# Altium PCB CRD25DA12N-FMC V1.2 (01-2024).PcbDoc (part 6 of 6)
Units mil, origin at the board's own origin, x right, y up, seen from the top; angles counter-clockwise.
Board outline 8000 x 8000 mil, 6 copper layers (Top Layer, Layer 2, Layer 3, Layer 4, Layer 5, Bottom Layer), stack 91 mil thick; 574 components, 325 nets, 1631 pads, 633 vias.
Unrouted connection lines stored in the file: 1.
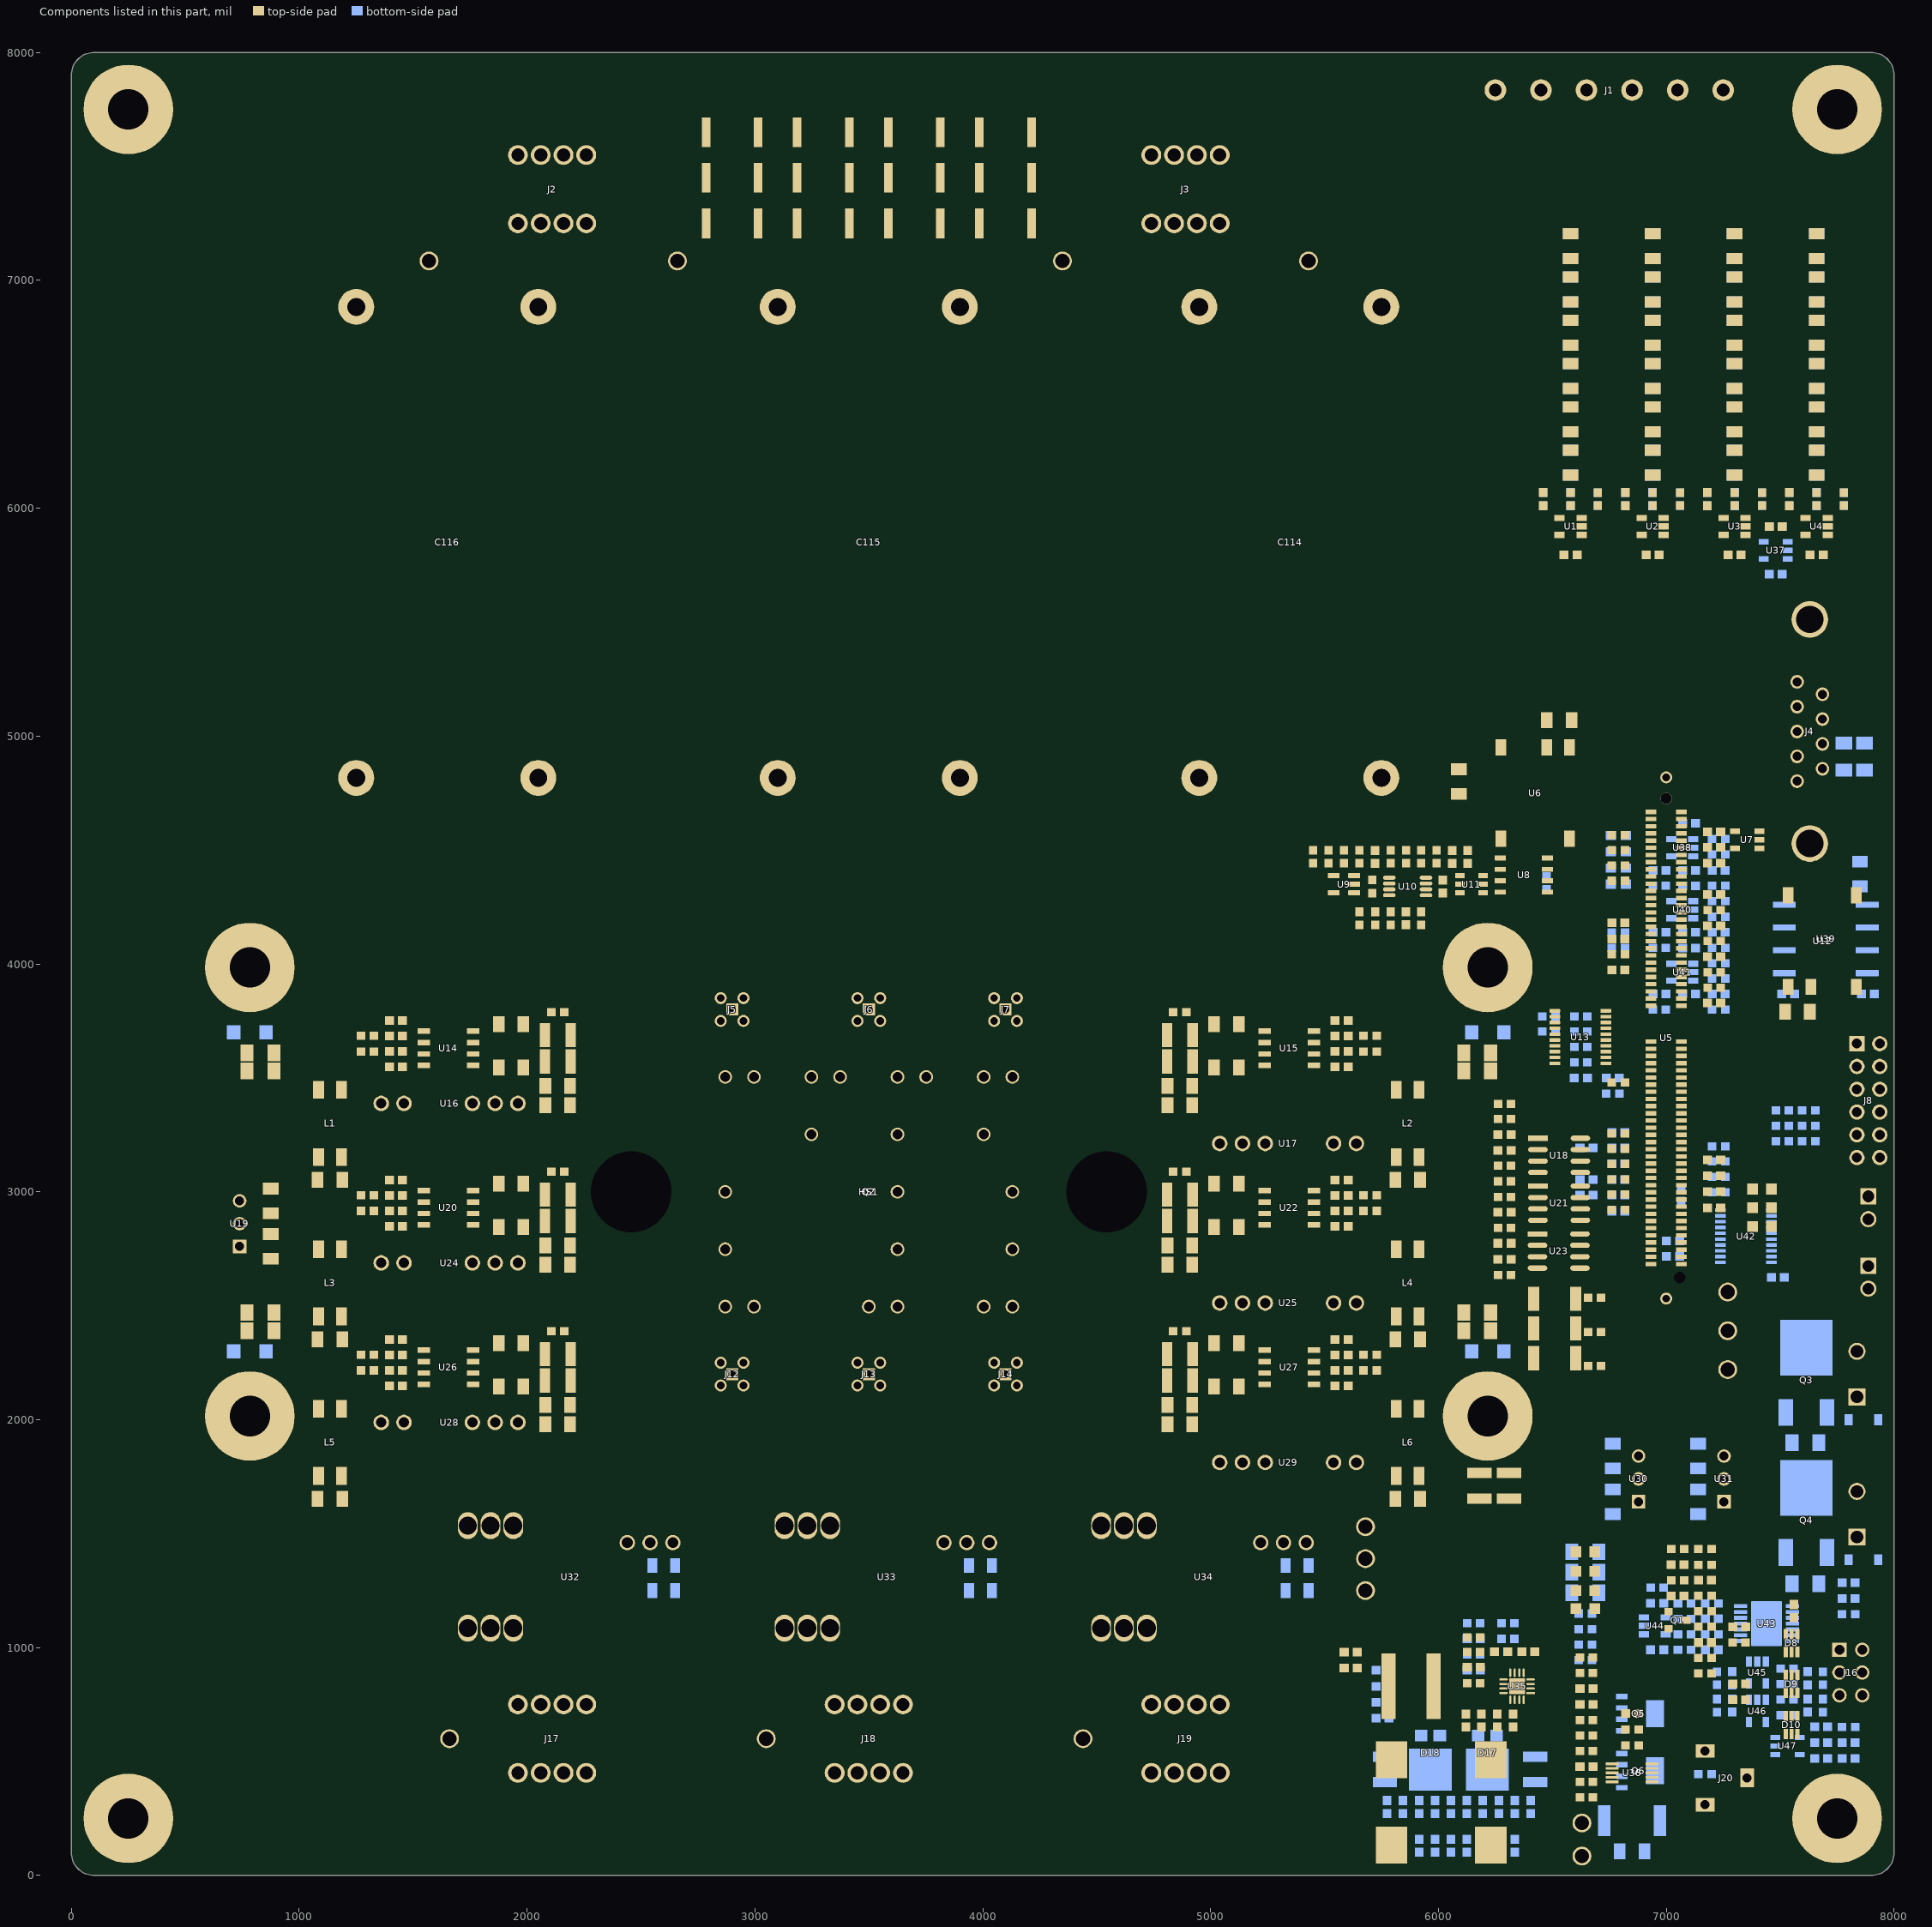
[diagram p10: the components of this part, seen from the top]

## Polygon pours and split planes (outlines as drawn) (continued)
NetC74_1 on Bottom Layer "NONET_L-01_P-001" (solid, pour order 964): 5535,2565 ccw(c5535,2520) 5490,2520 5490,2430 ccw(c5535,2430) 5535,2385 5715,2385 cw(c5715,2340) 5760,2340 5760,2335 ccw(c5805,2335) 5805,2290 5925,2290 ccw(c5925,2335) 5970,2335 5970,2345.83 cw(c6004.58,2350.42) 6000,2385 ccw(c5992.08,2417.08) 6025,2420 6025,2520 ccw(c5980,2520) 5980,2565
NetC49_1 on Bottom Layer "NONET_L-01_P-001" (solid, pour order 816): 5535,3265 ccw(c5535,3220) 5490,3220 5490,3130 ccw(c5535,3130) 5535,3085 5715,3085 cw(c5715,3040) 5760,3040 5760,3035 ccw(c5805,3035) 5805,2990 5925,2990 ccw(c5925,3035) 5970,3035 5970,3045.83 cw(c6004.58,3050.42) 6000,3085 ccw(c5992.08,3117.08) 6025,3120 6025,3220 ccw(c5980,3220) 5980,3265
S3 on Bottom Layer "Bottom Layer-S3" (solid, pour order 285): 21 vertices, not listed, extent 1830,3330 2225.07,3780
-3V_V_HS on Bottom Layer "Bottom Layer--3V_V_HS" (solid, pour order 1063): 1735,3374.9 ccw(c1780,3375) 1777.5,3330.07 ccw(c1775,3375) 1820,3374.91 1820,3415.4 1820.37,3415.77 cw(c1865,3410) 1859.85,3454.7 ccw(c1859.7,3500) 1905,3499.91 1905,3735.14 ccw(c1860,3735) 1860.23,3780 1779.81,3780 ccw(c1780,3735) 1735,3735 1735,3425
+15V_V_HS on Bottom Layer "Bottom Layer-+15V_V_HS" (solid, pour order 1062): 1980,3330 2005.11,3330 ccw(c2005,3375) 2050,3374.9 2050,3380.17 ccw(c2005,3380) 2005.11,3425 1979.86,3425 ccw(c1980,3380) 1935,3380 1935,3425 1935,3377.5 1935,3374.9 ccw(c1980,3375)
S2 on Bottom Layer "Bottom Layer-S2" (solid, pour order 1035): 21 vertices, not listed, extent 1830,1930 2225.07,2380
+15V_U_LS on Bottom Layer "Bottom Layer-+15V_U_LS" (solid, pour order 1030): 1980,1930 2005.11,1930 ccw(c2005,1975) 2050,1974.9 2050,1980.17 ccw(c2005,1980) 2005.11,2025 1979.86,2025 ccw(c1980,1980) 1935,1980 1935,2025 1935,1977.5 1935,1974.9 ccw(c1980,1975)
GND on Bottom Layer "Bottom Layer-GND 1" (solid, pour order 997): 6685,1694.87 ccw(c6730,1695) 6730,1650 6805,1650 6850,1695 6905,1695 ccw(c6904.9,1740.1) 6950,1740 ccw(c6904.88,1739.88) 6905,1785 6850,1785 6805,1830 6773.42,1830 6729.89,1830 ccw(c6730,1785) 6685,1785 6685,1745
+3.3V on Bottom Layer "Bottom Layer-+3.3V" (solid, pour order 985): 6855,1795 6905,1795 ccw(c6904.94,1840.06) 6950,1840 6950,1895 ccw(c6904.94,1894.94) 6905,1940 6729.86,1940 ccw(c6730,1895) 6685,1895 6685,1884.86 ccw(c6730,1885) 6730,1840 6810,1840
+12V on Bottom Layer "Bottom Layer-+12V" (solid, pour order 979): 6855,1685 6905,1685 cw(c6904.94,1639.94) 6950,1640 6950,1585 cw(c6904.94,1585.06) 6905,1540 6729.86,1540 cw(c6730,1585) 6685,1585 6685,1595.13 cw(c6730,1595) 6730,1640 6810,1640
+5V on Bottom Layer "Bottom Layer-+5V" (solid, pour order 978): 7230,1795 7280,1795 ccw(c7279.94,1840.06) 7325,1840 7325,1895 ccw(c7279.94,1894.94) 7280,1940 7104.86,1940 ccw(c7105,1895) 7060,1895 7060,1884.86 ccw(c7105,1885) 7105,1840 7185,1840
+12V on Bottom Layer "Bottom Layer-+12V 1" (solid, pour order 977): 7230,1685 7280,1685 cw(c7279.94,1639.94) 7325,1640 7325,1585 cw(c7279.94,1585.06) 7280,1540 7104.86,1540 cw(c7105,1585) 7060,1585 7060,1595.13 cw(c7105,1595) 7105,1640 7185,1640
GND on Bottom Layer "Bottom Layer-GND 1" (solid, pour order 975): 7060,1694.87 ccw(c7105,1695) 7105,1650 7180,1650 7225,1695 7280,1695 ccw(c7279.9,1740.1) 7325,1740 ccw(c7279.88,1739.88) 7280,1785 7225,1785 7180,1830 7148.42,1830 7104.89,1830 ccw(c7105,1785) 7060,1785 7060,1745
GND_ISO on Bottom Layer "Bottom Layer-GND_ISO" (solid, pour order 774): 7795,4405 7885,4405 7885,4480.14 ccw(c7840,4480) 7840,4525 7839.82,4525 ccw(c7840,4480) 7795,4480 7795,4415
GND_ISO on Bottom Layer "Bottom Layer-GND_ISO 1" (solid, pour order 765): 7905,4210 7950,4210 7950,4290 7795,4290 7795,4254.87 ccw(c7840,4255) 7840,4210 7905,4210
+5V_ISO on Bottom Layer "Bottom Layer-+5V_ISO" (solid, pour order 597): 7795,3855 ccw(c7840,3855) 7840,3810 7860,3810 7860,3940 7900,3940 7950,3940 7950,3965.13 ccw(c7905,3965) 7905,4010 7839.83,4010 ccw(c7840,3965) 7795,3965 7795,3900 7795,3870
GND_ISO on Bottom Layer "Bottom Layer-GND_ISO 2" (solid, pour order 521): 7905,3810 ccw(c7904.93,3855.07) 7950,3855 7950,3930 7870,3930 7870,3810
GND on Bottom Layer "GND_L06_P515" (solid, pour order 515): 7465,3935 7465,3775 7535,3775 7535,3935
+3.3V on Bottom Layer "+3.3V_L06_P306" (solid, pour order 306): 7605,3830 7605,3910 7585,3910 7585,4010 7465,4010 7465,3945 7540,3945 7540,3830
GND on Bottom Layer "GND_L06_P290" (solid, pour order 290): 7450,4295 7450,4210 7585,4210 7585,4295
GND on Layer 5 "Layer 5-GND" (solid, pour order 1966): 73 vertices, not listed, extent 2380,50 7950,6175
DC- on Layer 5 "Layer 3-DC-" (solid, pour order 2106): 57 vertices, not listed, extent 760,2878.55 6240,7740
W on Layer 5 "Layer 5-W" (solid, pour order 2040): 18 vertices, not listed, extent 4045.11,1000 4880.02,2775
V on Layer 5 "Layer 5-V" (solid, pour order 2038): 17 vertices, not listed, extent 2935,1000 3709.89,2775.01
U on Layer 5 "Layer 5-U" (solid, pour order 2036): 23 vertices, not listed, extent 1545,1000 2955,2775
GND_NTC on Layer 5 "Layer 2-GND_NTC" (solid, pour order 2107): 18 vertices, not listed, extent 5425,4140 6300,4995
GND on Layer 5 "Layer 5-GND 1" (solid, pour order 1849): 20 vertices, not listed, extent 490,1590 1575,3785
S3 on Layer 5 "Layer 5-S3" (solid, pour order 1929): 1780,3330 2180.14,3330 ccw(c2180,3375) 2225,3375 2225,3765.14 ccw(c2180,3765) 2180,3810 1779.86,3810 ccw(c1780,3765) 1735,3765 1735,3374.86 ccw(c1780,3375)
S5 on Layer 5 "Layer 5-S5" (solid, pour order 607): 4990,3780 4940,3780 4910,3810 4814.87,3810 ccw(c4815,3765) 4770,3765 4770,3349.83 ccw(c4815,3350) 4815,3305 4890,3305 5020,3175 5220.06,3175 ccw(c5220,3220) 5265,3220 5265,3725.1 ccw(c5220,3725) 5220,3770 5000,3770
S6 on Layer 5 "Layer 5-S6" (solid, pour order 1931): 4990,3080 4940,3080 4910,3110 4814.87,3110 ccw(c4815,3065) 4770,3065 4770,2649.83 ccw(c4815,2650) 4815,2605 4890,2605 5020,2475 5220.06,2475 ccw(c5220,2520) 5265,2520 5265,3025.1 ccw(c5220,3025) 5220,3070 5000,3070
S4 on Layer 5 "Layer 5-S4" (solid, pour order 1930): 4990,2380 4940,2380 4910,2410 4814.87,2410 ccw(c4815,2365) 4770,2365 4770,1949.83 ccw(c4815,1950) 4815,1905 4890,1905 5020,1775 5220.06,1775 ccw(c5220,1820) 5265,1820 5265,2325.1 ccw(c5220,2325) 5220,2370 5000,2370
S1 on Layer 5 "Layer 5-S1" (solid, pour order 1865): 1780,2630 2180.14,2630 ccw(c2180,2675) 2225,2675 2225,3065.14 ccw(c2180,3065) 2180,3110 1779.86,3110 ccw(c1780,3065) 1735,3065 1735,2674.86 ccw(c1780,2675)
S2 on Layer 5 "Layer 5-S2" (solid, pour order 1853): 1780,1930 2180.14,1930 ccw(c2180,1975) 2225,1975 2225,2365.14 ccw(c2180,2365) 2180,2410 1779.86,2410 ccw(c1780,2365) 1735,2365 1735,1974.86 ccw(c1780,1975)
GND_ISO on Layer 5 "Layer 2-GND_ISO" (solid, pour order 1068): 7720,4445 cw(c7718.14,4368.15) 7794.99,4366.29 7795,4365.13 7795,3855 ccw(c7840.04,3855.04) 7840.09,3810 7905.12,3810 ccw(c7905.06,3854.94) 7950,3855 7950,5523.95 ccw(c7879.48,5524.36) 7879.89,5594.88 7614.1,5594.88 ccw(c7611.97,5522.91) 7540,5525.04 7540,4515.03 ccw(c7610.02,4515.02) 7610.01,4445
GND on Top Layer "Top Layer-GND 8" (solid, pour order 2317): 6075,154.86 ccw(c6130,155) 6130,100 6165,100 6165,55 6295,55 6295,100 6350,100 ccw(c6350,155) 6405,155 6405,160.03 ccw(c6350,160) 6362.76,213.5 6117.24,213.5 ccw(c6130,160) 6075,160
-15V on Top Layer "Top Layer--15V" (solid, pour order 2271): 5565,95 ccw(c5610,95) 5610,50 5979.19,50.01 ccw(c5980,95) 6025,94.79 6025,164.59 ccw(c5980,165) 5979.63,210 5610,210 ccw(c5609.99,165.01) 5565,165 5565,95.13 ccw(c5608.24,95)
NetC109_2 on Top Layer "Top Layer-NetC202_2" (solid, pour order 2267): 6130,605 6215,605 6215,680 6055,680 6055,630 5763,630 5735,630 ccw(c5735,585) 5690,584.73 5690,554.81 ccw(c5735,555) 5735,510 5860,510 5860,535 6130,535
NetC111_2 on Top Layer "NONET_L-01_P-001" (solid, pour order 2115): 6140,595 6140,535 6385,535 6385,680 6230,680 6230,595
GND on Top Layer "NONET_L-01_P-001" (solid, pour order 2129): 6365,810 6365,740 6435,740 6435,810
NetC109_1 on Top Layer "NONET_L-01_P-001" (solid, pour order 2113): 5945,1000 5945,640 6040,640 6040,705 6350,705 6350,795 6305,795 6305,810 6100,810 6055,855 6055,1000
+12V on Top Layer "Top Layer-+12V 4" (solid, pour order 2263): 5690,685 ccw(c5735,685) 5735.13,640 5770.09,640 ccw(c5770,685) 5815,684.83 5814.99,1014.26 ccw(c5770,1015) 5770.13,1060 5735.26,1060 ccw(c5734.99,1015.01) 5690,1015 5690,1014.94 5690,685.65 ccw(c5733.98,685.01)
DC- on Top Layer "Top Layer-DC-" (solid, pour order 2292): 4265,2935 4265,2975.11 ccw(c4210,2975) 4208.55,3029.98 2789.73,3030 ccw(c2790,2975) 2735,2975 2735,2934.89 ccw(c2790,2935) 2788.99,2880.01 4210,2880 ccw(c4210,2935)
DC+ on Top Layer "Top Layer-DC+" (solid, pour order 2282): 2735.23,3240 ccw(c2790,3245) 2791.01,3190.01 4210,3190 ccw(c4210,3245) 4265,3245 4265,3260 ccw(c4210,3260) 4210,3315 2915,3315.02 2915,3290 2790,3290 ccw(c2790,3235)
+5V on Top Layer "Top Layer-+5V 1" (solid, pour order 2162): 17 vertices, not listed, extent 6755,615 7490,1940
GND on Top Layer "Top Layer-GND 5" (solid, pour order 1354): 6095.12,1615 cw(c6095,1640) 6070,1639.9 6070,1680.09 cw(c6095,1680) 6094.88,1705 6230,1705 6385.12,1705 cw(c6385,1680) 6410,1680.14 6410,1639.9 cw(c6385.12,1639.88) 6385.11,1615
G4 on Top Layer "Top Layer-G4" (solid, pour order 696): 23 vertices, not listed, extent 3605,1940 4870,2535
+12V on Top Layer "Top Layer-+12V 5" (solid, pour order 2080): 20 vertices, not listed, extent 675,3360 5880,4390
+15V_W_HS on Top Layer "Top Layer-+15V_W_HS 1" (solid, pour order 737): 5190,3675 5165,3700 5095,3700 5095,3770 5220.13,3770 cw(c5220,3725) 5265,3725 5265,3675
G5H on Top Layer "G5H_L01_P733" (solid, pour order 733): 4980,3752.79 4980,3690 5160,3690 5185,3665 5265,3665 5265,3635 4895,3635 4895,3752.8
G3 on Top Layer "Top Layer-G3" (solid, pour order 705): 25 vertices, not listed, extent 2130,3455 3405,4070
G5 on Top Layer "Top Layer-G5" (solid, pour order 706): 19 vertices, not listed, extent 3705,3465.25 4870,3805
G1 on Top Layer "Top Layer-G1" (solid, pour order 703): 2215,3085 2580,3450 2915,3450 2943.97,3450 2965.09,3450 ccw(c2965,3495) 3008.94,3485.28 3008.94,3560 2625,3560 2130,3065 2130,2810 2215,2810
G6 on Top Layer "Top Layer-G6" (solid, pour order 699): 4850,3060 4850,3100 4820,3100 4820,3060 4775,3060 4775,2900 4430,2555 3999.87,2555 ccw(c4000,2510) 3955,2510 3955,2489.84 ccw(c4000,2490) 4000,2445 4065,2445 4420,2445 4870,2895 4870,3060
G2 on Top Layer "Top Layer-G2" (solid, pour order 692): 2175,2350 2175,2400 2150,2400 2150,2350 2130,2350 2130,2110 2210,2110 2210,2210 2445,2445 2999.86,2445 ccw(c3000,2490) 3045,2490 3045,2510.16 ccw(c3000,2510) 3000,2555 2445,2555 2240,2350
+5V_NTC on Top Layer "Top Layer-+5V_NTC" (solid, pour order 1376): 18 vertices, not listed, extent 6055,4435 6300,4795
+5V_ISO on Top Layer "Top Layer-+5V_ISO" (solid, pour order 1576): 7829.79,4235.21 7883.86,4235.21 ccw(c7880,4270) 7915,4269.83 7915,4370.18 ccw(c7880,4370) 7880.19,4405 7829.79,4405 ccw(c7829.99,4370.01) 7795,4370.01 7795,4270 ccw(c7829.89,4270.1)
GND on Top Layer "Top Layer-GND 7" (solid, pour order 1568): 7465,3735 ccw(c7500,3735) 7499.85,3700 7540.15,3700 ccw(c7540,3735) 7575,3734.8 7575,3930.15 ccw(c7540,3930) 7540.17,3965 7499.83,3965 ccw(c7500,3930) 7465,3930.12
+3.3V on Top Layer "Top Layer-+3.3V" (solid, pour order 1560): 7585,3734.81 ccw(c7620,3735) 7619.85,3700 7640.17,3700 ccw(c7640,3735) 7675,3734.92 7675,3929.81 ccw(c7639.81,3929.81) 7640,3965 7619.76,3965 ccw(c7620,3930) 7585,3930.17
GND on Top Layer "Top Layer-GND" (solid, pour order 1476): 6590,4829.65 6600.17,4829.65 ccw(c6600,4874.65) 6645,4874.61 6645,5100 ccw(c6599.94,5099.94) 6600,5145 6590,5145 ccw(c6590.08,5099.92) 6545,5100 6545,4949.65 6545,4924.65 6545,4874.65 ccw(c6590,4874.65)
+3.3V on Top Layer "Top Layer-+5V" (solid, pour order 1377): 6450.39,4874.53 ccw(c6495.38,4874.65) 6492.89,4829.72 ccw(c6490.39,4874.65) 6535.39,4874.65 6535.39,5108.21 ccw(c6493.74,5102.96) 6490.91,5144.84 ccw(c6495.42,5100.04) 6450.39,5100
GND_NTC on Top Layer "Top Layer-GND_NTC" (solid, pour order 1373): 6100,4805 6214.09,4805 6255.11,4805 ccw(c6255,4849.99) 6300,4850 6300,4950.11 ccw(c6255.05,4950.05) 6255.11,4995 6100,4995 ccw(c6099.91,4950.09) 6055,4950 6055,4850 ccw(c6099.99,4849.99)
GND_ISO on Top Layer "Top Layer-GND_ISO" (solid, pour order 654): 7855,3810 7880,3810 7905.1,3810 ccw(c7905,3855) 7950,3854.9 7950,3965.17 ccw(c7905,3965) 7905.14,4010 7839.81,4010 ccw(c7840,3965) 7795,3965 7795,3854.86 ccw(c7840,3855) 7840,3810 7855,3810
+12V on Top Layer "Top Layer-+12V 2" (solid, pour order 796): 5870,3384.87 ccw(c5915,3385) 5915,3340 5915.17,3340 ccw(c5915,3385) 5960,3385 5960,3450 5960,3467.46 5960,3510 ccw(c5915,3510) 5915,3555 ccw(c5915.08,3509.92) 5870,3510 5870,3445
GND on Top Layer "Top Layer-+12V" (solid, pour order 879): 1040,3384.87 ccw(c1085,3385) 1085,3340 1085.16,3340 ccw(c1085,3385) 1130,3385 1130,3450 1130,3467.46 1130,3510 ccw(c1085,3510) 1085,3555 ccw(c1085.08,3509.92) 1040,3510 1040,3445
+15V_W_HS on Top Layer "Top Layer-+15V_W_HS" (solid, pour order 739): 5040.1,3180 ccw(c5040,3225) 5085,3225 5085,3370.17 ccw(c5040,3370) 5040,3415 4895,3415 4895,3310 5025,3180
+15V_W_LS on Top Layer "Top Layer-+15V_W_LS" (solid, pour order 747): 5040.1,2480 ccw(c5040,2525) 5085,2525 5085,2670.16 ccw(c5040,2670) 5040,2715 4895,2715 4895,2600 5015,2480
+15V_V_LS on Top Layer "Top Layer-+15V_V_LS" (solid, pour order 731): 5040.1,1780 ccw(c5040,1825) 5085,1825 5085,1970.16 ccw(c5040,1970) 5040,2015 4895,2015 4895,1900 5015,1780
GND on Top Layer "Top Layer-GND 6" (solid, pour order 1584): 6340,2235 ccw(c6375,2235) 6374.85,2200 6455.15,2200 ccw(c6455,2235) 6490,2234.83 6490,2565.17 ccw(c6455,2565) 6455.18,2600 6374.82,2600 ccw(c6375,2565) 6340,2565
NetHS1_3 on Top Layer "Top Layer-NetHS1_3" (solid, pour order 1333): 6315,1715 6365.13,1715 ccw(c6365,1760) 6410,1760 6410,2015 6070,2015 6070,1810 6070,1760 ccw(c6115,1760) 6115,1715 6180,1715
+15V_V_HS on Top Layer "Top Layer-+15V_V_HS" (solid, pour order 669): 19 vertices, not listed, extent 1735,3330 2110,3580
G3H on Top Layer "G3H_L01_P527" (solid, pour order 527): 1820,3590 2020,3590 2020,3510 2105,3510 2105,3625 1735,3625 1735,3590
NetC73_1 on Top Layer "Top Layer-NetC157_1" (solid, pour order 1244): 21 vertices, not listed, extent 1140,2290 1515,2740
NetC48_1 on Top Layer "Top Layer-NetC157_1" (solid, pour order 987): 21 vertices, not listed, extent 1140,2990 1515,3440
NetC91_1 on Top Layer "Top Layer-NetC157_1" (solid, pour order 874): 21 vertices, not listed, extent 1140,1590 1515,2040
NetC48_2 on Top Layer "Top Layer-NetC106_2" (solid, pour order 894): 1085,2990 ccw(c1087.43,3032.58) 1130,3030 1130,3105 1130,3280.13 ccw(c1085,3280) 1085,3325 1069.86,3325 ccw(c1069.92,3280.08) 1025,3280.13 1025,3215 1025,3030 ccw(c1077.84,3042.84) 1065,2990
+5V_ALT on Top Layer "Top Layer-+5V_ALT" (solid, pour order 986): 900,3075 cw(c900,3030) 945,3030.13 945,3010 cw(c899.94,3010.06) 900,2965 840,2965 835,2965 785,2915 715,2915 cw(c715.06,2960.06) 670,2960 670,3025 670,3030 cw(c715.07,3029.93) 715,3075
GND on Top Layer "Top Layer-GND 4" (solid, pour order 899): 18 vertices, not listed, extent 670,2770 945,2950
+12V on Top Layer "Top Layer-+12V 3" (solid, pour order 898): 900,2645 ccw(c900,2690) 945,2689.86 945,2710 ccw(c899.94,2709.94) 900,2755 840,2755 835,2755 785,2805 715,2805 ccw(c715.06,2759.94) 670,2760 670,2695 670,2690 ccw(c715.07,2690.07) 715,2645
+12V on Top Layer "Top Layer-+12V" (solid, pour order 877): 1140,3384.87 ccw(c1185,3385) 1185,3340 1185.16,3340 ccw(c1185,3385) 1230,3385 1230,3450 1230,3467.46 1230,3510 ccw(c1185,3510) 1185,3555 ccw(c1185.08,3509.92) 1140,3510 1140,3445
NetC91_2 on Top Layer "Top Layer-NetC157_2" (solid, pour order 876): 1085,1590 ccw(c1087.43,1632.58) 1130,1630 1130,1705 1130,1880.13 ccw(c1085,1880) 1085,1925 1069.86,1925 ccw(c1069.92,1880.08) 1025,1880.13 1025,1815 1025,1635 ccw(c1070,1635) 1070,1590
NetC73_2 on Top Layer "Top Layer-NetC136_2" (solid, pour order 873): 1085,2290 ccw(c1087.43,2332.58) 1130,2330 1130,2405 1130,2580.13 ccw(c1085,2580) 1085,2625 1069.86,2625 ccw(c1069.92,2580.08) 1025,2580.13 1025,2515 1025,2330 ccw(c1077.84,2342.84) 1065,2290
GND on Top Layer "Top Layer-+12V" (solid, pour order 872): 1040,2684.87 ccw(c1085,2685) 1085,2640 1085.16,2640 ccw(c1085,2685) 1130,2685 1130,2750 1130,2767.46 1130,2810 ccw(c1085,2810) 1085,2855 ccw(c1085.08,2809.92) 1040,2810 1040,2745
+12V on Top Layer "Top Layer-+12V" (solid, pour order 842): 1140,2684.87 ccw(c1185,2685) 1185,2640 1185.16,2640 ccw(c1185,2685) 1230,2685 1230,2750 1230,2767.46 1230,2810 ccw(c1185,2810) 1185,2855 ccw(c1185.08,2809.92) 1140,2810 1140,2745
GND on Top Layer "Top Layer-+12V" (solid, pour order 841): 1040,1984.87 ccw(c1085,1985) 1085,1940 1085.16,1940 ccw(c1085,1985) 1130,1985 1130,2050 1130,2067.46 1130,2110 ccw(c1085,2110) 1085,2155 ccw(c1085.08,2109.92) 1040,2110 1040,2045
+12V on Top Layer "Top Layer-+12V" (solid, pour order 840): 1140,1984.87 ccw(c1185,1985) 1185,1940 1185.16,1940 ccw(c1185,1985) 1230,1985 1230,2050 1230,2067.46 1230,2110 ccw(c1185,2110) 1185,2155 ccw(c1185.08,2109.92) 1140,2110 1140,2045
NetC92_1 on Top Layer "Top Layer-NetC156_1" (solid, pour order 839): 5970,1634.86 cw(c5924.96,1635.04) 5924.96,1590 5915,1590 cw(c5915.08,1635.08) 5870,1635 5870,1710 5870,1755 5870,1820.16 cw(c5915,1820) 5915,1865 5980,1865 cw(c5980,1820) 6025,1820.16 6025,1720 cw(c5992.54,1717.46) 5995,1685 ccw(c6007.84,1649.49) 5970.31,1645.31 5970,1640.19
NetC92_2 on Top Layer "Top Layer-NetC156_2" (solid, pour order 815): 22 vertices, not listed, extent 5490,1590 5860,1865
GND on Top Layer "Top Layer-GND 1" (solid, pour order 814): 5770,1984.87 ccw(c5815,1985) 5815,1940 5815.17,1940 ccw(c5815,1985) 5860,1985 5860,2050 5860,2067.46 5860,2110 ccw(c5815,2110) 5815,2155 ccw(c5815.08,2109.92) 5770,2110 5770,2045
+12V on Top Layer "Top Layer-+12V" (solid, pour order 813): 5870,1984.87 ccw(c5915,1985) 5915,1940 5915.17,1940 ccw(c5915,1985) 5960,1985 5960,2050 5960,2067.46 5960,2110 ccw(c5915,2110) 5915,2155 ccw(c5915.08,2109.92) 5870,2110 5870,2045
GND on Top Layer "Top Layer-GND 2" (solid, pour order 812): 5770,2684.87 ccw(c5815,2685) 5815,2640 5815.17,2640 ccw(c5815,2685) 5860,2685 5860,2750 5860,2767.46 5860,2810 ccw(c5815,2810) 5815,2855 ccw(c5815.08,2809.92) 5770,2810 5770,2745
+12V on Top Layer "Top Layer-+12V 1" (solid, pour order 811): 5870,2684.87 ccw(c5915,2685) 5915,2640 5915.17,2640 ccw(c5915,2685) 5960,2685 5960,2750 5960,2767.46 5960,2810 ccw(c5915,2810) 5915,2855 ccw(c5915.08,2809.92) 5870,2810 5870,2745
NetC74_1 on Top Layer "Top Layer-NetC135_1" (solid, pour order 810): 5970,2334.86 cw(c5924.96,2335.04) 5924.96,2290 5915,2290 cw(c5915.08,2335.08) 5870,2335 5870,2410 5870,2455 5870,2520.16 cw(c5915,2520) 5915,2565 5980,2565 cw(c5980,2520) 6025,2520.16 6025,2420 cw(c5992.54,2417.46) 5995,2385 ccw(c6007.84,2349.49) 5970.31,2345.31 5970,2340.19
NetC74_2 on Top Layer "Top Layer-NetC135_2" (solid, pour order 808): 22 vertices, not listed, extent 5490,2290 5860,2565
NetC49_1 on Top Layer "Top Layer-NetC105_1" (solid, pour order 807): 5970,3034.86 cw(c5924.96,3035.04) 5924.96,2990 5915,2990 cw(c5915.08,3035.08) 5870,3035 5870,3110 5870,3155 5870,3220.16 cw(c5915,3220) 5915,3265 5980,3265 cw(c5980,3220) 6025,3220.16 6025,3120 cw(c5992.54,3117.46) 5995,3085 ccw(c6007.84,3049.49) 5970.31,3045.31 5970,3040.19
NetC49_2 on Top Layer "Top Layer-NetC105_2" (solid, pour order 805): 22 vertices, not listed, extent 5490,2990 5860,3265
GND on Top Layer "Top Layer-GND 3" (solid, pour order 804): 5770,3384.87 ccw(c5815,3385) 5815,3340 5815.17,3340 ccw(c5815,3385) 5860,3385 5860,3450 5860,3467.46 5860,3510 ccw(c5815,3510) 5815,3555 ccw(c5815.08,3509.92) 5770,3510 5770,3445
-3V_W_LS on Top Layer "Top Layer--3V_W_LS" (solid, pour order 787): 21 vertices, not listed, extent 4895,2480.28 5265,2880
S6 on Top Layer "NONET_L-01_P-001" (solid, pour order 746): 4990,2880 4990,2810 5086.63,2810 5086.63,2880
+15V_W_LS on Top Layer "Top Layer-+15V_W_LS 1" (solid, pour order 745): 5190,2975 5165,3000 5095,3000 5095,3070 5220.13,3070 cw(c5220,3025) 5265,3025 5265,2975
S6 on Top Layer "NONET_L-01_P-001" (solid, pour order 744): 4785,2800 4785,2645 4880,2645 4880,2800
S6 on Top Layer "NONET_L-01_P-001" (solid, pour order 743): 4990,3070 4990,3000 5086.63,3000 5086.63,3070
G6L on Top Layer "G6L_L01_P742" (solid, pour order 742): 5180,2890 4980,2890 4980,2810 4895,2810 4895,2925 5265,2925 5265,2890
G6H on Top Layer "G6H_L01_P741" (solid, pour order 741): 4980,3052.79 4980,2990 5160,2990 5185,2965 5265,2965 5265,2935 4895,2935 4895,3052.8
-3V_W_HS on Top Layer "Top Layer--3V_W_HS" (solid, pour order 740): 21 vertices, not listed, extent 4895,3180.28 5265,3580
S5 on Top Layer "NONET_L-01_P-001" (solid, pour order 738): 4990,3580 4990,3510 5086.63,3510 5086.63,3580
S5 on Top Layer "NONET_L-01_P-001" (solid, pour order 736): 4785,3500 4785,3345 4880,3345 4880,3500
S5 on Top Layer "NONET_L-01_P-001" (solid, pour order 735): 4990,3770 4990,3700 5086.63,3700 5086.63,3770
G5L on Top Layer "G5L_L01_P734" (solid, pour order 734): 5180,3590 4980,3590 4980,3510 4895,3510 4895,3625 5265,3625 5265,3590
-3V_V_LS on Top Layer "Top Layer--3V_V_LS" (solid, pour order 732): 21 vertices, not listed, extent 4895,1780.28 5265,2180
S4 on Top Layer "NONET_L-01_P-001" (solid, pour order 725): 4990,2180 4990,2110 5086.63,2110 5086.63,2180
+15V_V_LS on Top Layer "Top Layer-+15V_V_LS 1" (solid, pour order 716): 5190,2275 5165,2300 5095,2300 5095,2370 5220.13,2370 cw(c5220,2325) 5265,2325 5265,2275
S4 on Top Layer "NONET_L-01_P-001" (solid, pour order 714): 4785,2100 4785,1945 4880,1945 4880,2100
S4 on Top Layer "NONET_L-01_P-001" (solid, pour order 713): 4990,2370 4990,2300 5086.63,2300 5086.63,2370
G4L on Top Layer "G4L_L01_P711" (solid, pour order 711): 5180,2190 4980,2190 4980,2110 4895,2110 4895,2225 5265,2225 5265,2190
G4H on Top Layer "G4H_L01_P710" (solid, pour order 710): 4980,2352.79 4980,2290 5160,2290 5185,2265 5265,2265 5265,2235 4895,2235 4895,2352.8
U_OUT on Top Layer "Layer 2-U_OUT" (solid, pour order 709): 25 vertices, not listed, extent 1545,340 2455,1620
W_OUT on Top Layer "Layer 2-W_OUT" (solid, pour order 708): 25 vertices, not listed, extent 4325,340 5235,1620
V_OUT on Top Layer "Layer 2-V_OUT" (solid, pour order 707): 25 vertices, not listed, extent 2935,340 3845,1620
+15V_U_LS on Top Layer "Top Layer-+15V_U_LS" (solid, pour order 688): 17 vertices, not listed, extent 1735,1930 2110,2180
-3V_U_LS on Top Layer "Top Layer--3V_U_LS" (solid, pour order 684): 1810,2275 1835,2300 1905,2300 1905,2370 1779.87,2370 ccw(c1780,2325) 1735,2325 1735,2275
S2 on Top Layer "NONET_L-01_P-001" (solid, pour order 683): 2010,2370 2010,2300 1913.37,2300 1913.37,2370
S2 on Top Layer "NONET_L-01_P-001" (solid, pour order 682): 2010,2180 2010,2110 1913.37,2110 1913.37,2180
-3V_U_LS on Top Layer "NONET_L-01_P-001" (solid, pour order 681): 2105,2100 2105,2030 2010,2030 2010,2100
S2 on Top Layer "NONET_L-01_P-001" (solid, pour order 680): 2215,2100 2215,1945 2120,1945 2120,2100
G2H on Top Layer "G2H_L01_P679" (solid, pour order 679): 1820,2190 2020,2190 2020,2110 2105,2110 2105,2225 1735,2225 1735,2190
G2L on Top Layer "G2L_L01_P678" (solid, pour order 678): 2020,2352.79 2020,2290 1840,2290 1815,2265 1735,2265 1735,2235 2105,2235 2105,2352.8
+15V_U_HS on Top Layer "Top Layer-+15V_U_HS" (solid, pour order 677): 19 vertices, not listed, extent 1735,2630 2110,2880
-3V_U_HS on Top Layer "Top Layer--3V_U_HS" (solid, pour order 676): 1810,2975 1835,3000 1905,3000 1905,3070 1779.87,3070 ccw(c1780,3025) 1735,3025 1735,2975
S1 on Top Layer "NONET_L-01_P-001" (solid, pour order 675): 2010,3070 2010,3000 1913.37,3000 1913.37,3070
S1 on Top Layer "NONET_L-01_P-001" (solid, pour order 674): 2010,2880 2010,2810 1913.37,2810 1913.37,2880
-3V_U_HS on Top Layer "NONET_L-01_P-001" (solid, pour order 673): 2105,2800 2105,2730 2010,2730 2010,2800
S1 on Top Layer "NONET_L-01_P-001" (solid, pour order 672): 2215,2800 2215,2645 2120,2645 2120,2800
G1H on Top Layer "G1H_L01_P671" (solid, pour order 671): 1820,2890 2020,2890 2020,2810 2105,2810 2105,2925 1735,2925 1735,2890
G1L on Top Layer "G1L_L01_P670" (solid, pour order 670): 2020,3052.79 2020,2990 1840,2990 1815,2965 1735,2965 1735,2935 2105,2935 2105,3052.8
S3 on Top Layer "NONET_L-01_P-001" (solid, pour order 658): 2010,3770 2010,3700 1913.37,3700 1913.37,3770
-3V_V_HS on Top Layer "Top Layer--3V_V_HS" (solid, pour order 668): 1810,3675 1835,3700 1905,3700 1905,3770 1779.87,3770 ccw(c1780,3725) 1735,3725 1735,3675
G3L on Top Layer "G3L_L01_P403" (solid, pour order 403): 2020,3752.79 2020,3690 1840,3690 1815,3665 1735,3665 1735,3635 2105,3635 2105,3752.8
S3 on Top Layer "NONET_L-01_P-001" (solid, pour order 657): 2010,3580 2010,3510 1913.37,3510 1913.37,3580
-3V_V_HS on Top Layer "NONET_L-01_P-001" (solid, pour order 656): 2105,3500 2105,3430 2010,3430 2010,3500
S3 on Top Layer "NONET_L-01_P-001" (solid, pour order 655): 2215,3500 2215,3345 2120,3345 2120,3500

## Keep-outs
Top Layer:
  lines w10: 3720.01,2054.2 ccw(c3770,2055) 3770.8,2005.01
Layer 2:
  circle w10: c7000,4726.18 r28.16
  circle w10: c7059.06,2623.82 r28.16
  lines w10: 1780,2315 1805,2315 ; 1780,3015 1805,3015 ; 1780,3715 1805,3715
Layer 3:
  circle w10: c7000,4726.18 r28.16
  circle w10: c7059.06,2623.82 r28.16
Layer 4:
  circle w10: c7000,4726.18 r28.16
  circle w10: c7059.06,2623.82 r28.16
Layer 5:
  circle w10: c7000,4726.18 r28.16
  circle w10: c7059.06,2623.82 r28.16

## Other copper
Layer 3:
  pour cut-out: 2787,3975 ccw(c2794.74,3905.26) 2725,3897.5 2725,3446.67 ccw(c2794.78,3444.78) 2792.89,3375 3040,3375 cw(c3040.01,3295.01) 3120,3295 3120,3195 ccw(c3190,3195) 3190,3125 4060,3125 ccw(c4060,3195) 4130,3195 4130,3300 cw(c4205,3300) 4205,3375 ccw(c4205,3445) 4275,3445 4275,3905 ccw(c4205.01,3905.01) 4205,3975
Layer 4:
  pour cut-out: 2787,3975 ccw(c2794.74,3905.26) 2725,3897.5 2725,3446.67 ccw(c2794.78,3444.78) 2792.89,3375 4204.85,3375 ccw(c4205,3445) 4275,3445 4275,3905 ccw(c4205.01,3905.01) 4205,3975
Layer 5:
  pour cut-out: 2787,3975 ccw(c2794.74,3905.26) 2725,3897.5 2725,3446.67 ccw(c2794.78,3444.78) 2792.89,3375 3040,3375 cw(c3040.01,3295.01) 3120,3295 3120,3195 ccw(c3190,3195) 3190,3125 4060,3125 ccw(c4060,3195) 4130,3195 4130,3300 cw(c4205,3300) 4205,3375 ccw(c4205,3445) 4275,3445 4275,3905 ccw(c4205.01,3905.01) 4205,3975
Bottom Layer:
  pour cut-out: 2820,4010 ccw(c2819.97,3890.02) 2700,3890 2700,3505 ccw(c2870,3505) 2870,3335 4135,3335 ccw(c4135.18,3499.82) 4300,3500 4300,3895 ccw(c4185.02,3895.02) 4185,4010

## Silkscreen, mask and mechanical layers (free items; w line width, h text height)
Top Overlay:
  drawing of 161 lines, arcs and shapes, not listed
  text "+" at 2026.69,7914.65 h250 r180
  text "-" at 4806.69,7914.96 h250 r180
  text "W-" at 6200.02,7585 h60
  text "W+" at 6400.02,7585 h60
  text "V-" at 6600.02,7585 h60
  text "V+" at 6800.02,7585 h60
  text "U-" at 7000.02,7585 h60
  text "U+" at 7200.02,7585 h60
  text "DC+" at 1490.03,7170 h60
  text "DC+" at 2580.03,7170 h60
  text "DC-" at 4270.03,7170 h60
  text "DC-" at 5350.03,7170 h60
  text "H" at 696.25,7076.88 h900
  text "CAUTION / HIGH VOLTAGE" at 660.11,7019.04 h60
  text "25kW WolfPACK FM3 Six-Pack Inverter / PN CRD25DA12N-FMC, V1.2 01/2024" at 1763.05,5355 h100
  text "U-HS / (G1)" at 2780.04,3880 h60
  text "V-HS / (G3)" at 3380.04,3880 h60
  text "W-HS / (G5)" at 3980.04,3880 h60
  text "(OFF)" at 2231,3647 h35
  text "(ON)" at 4658.2,3647 h35
  text "3.3" at 7546.26,3631 h35
  text "+5" at 7680.84,3631 h35
  text "PWR" at 7514,3555.7 h35 r90
  text "(ON)" at 2231,3531 h35
  text "(OFF)" at 4623.21,3531 h35
  text "GND" at 7543.35,3531 h35
  text "GND" at 7663.35,3531 h35
  text "A14" at 7546.26,3431 h35
  text "C14" at 7666.26,3431 h35
  text "ADC" at 7514,3405.7 h35 r90
  text "35" at 7560.84,3331 h35
  text "54" at 7680.84,3331 h35
  text "GPIO" at 7514,3243.77 h35 r90
  text "55" at 7560.84,3231 h35
  text "57" at 7680.84,3231 h35
  text "GND" at 7543.35,3131 h35
  text "+12" at 7666.26,3131 h35
  text "PWR" at 7514,3105.7 h35 r90
  text "+" at 7750,2950.01 h60 r90
  text "-" at 7749.99,2870.01 h60 r90
  text "12V" at 7724,2736.26 h35 r90
  text "(OFF)" at 2336,2706 h35
  text "(ON)" at 4553.2,2706 h35
  text "FANS" at 7655,2685.04 h60 r90
  text "+" at 7750,2645.01 h60 r90
  text "(ON)" at 2336,2591 h35
  text "(OFF)" at 4518.21,2591 h35
  text "-" at 7749.99,2565.01 h60 r90
  text "+3.3V" at 7350,2535 h60
  text "+5V" at 7350,2365 h60
  text "2-" at 7625,2250.02 h60 r90
  text "(OFF)" at 2231,2247 h35
  text "(ON)" at 4658.2,2247 h35
  text "GND" at 7350,2195 h60
  text "(ON)" at 2231,2131 h35
  text "(OFF)" at 4623.21,2131 h35
  text "2+" at 7625,2050.02 h60 r90
  text "U-LS / (G2)" at 2780.04,1944.04 h60
  text "V-LS / (G4)" at 3380.04,1944.04 h60
  text "W-LS / (G6)" at 3980.04,1944.04 h60
  text "RELAYS" at 7530,1725.06 h60 r90
  text "1-" at 7625,1640.01 h60 r90
  text "+15V" at 5770,1505 h60
  text "1+" at 7625,1440.01 h60 r90
  text "+3.3V" at 6250.09,1390 h60
  text "-15V" at 5770,1365 h60
  text "+5V" at 6360.05,1305 h60
  text "GND" at 5770,1225 h60
  text "+15V" at 6310.07,1220 h60
  text "-15V" at 6310.07,1140 h60
  text "U" at 1640.01,685 h60
  text "V" at 3030.01,685 h60
  text "W" at 4420.01,685 h60
  text "1" at 7499,534.17 h35 r90
  text "2" at 7564,528.34 h35 r90
  text "3" at 7499,478.34 h35 r90
  text "4" at 7564,478.34 h35 r90
  text "5" at 7499,428.34 h35 r90
  text "6" at 7564,428.34 h35 r90
  text "-" at 7465,364.99 h60 r180
  text "+12V" at 6720,205 h60
  text "+" at 7465,95 h60 r180
  text "U" at 2026.69,85 h250
  text "V" at 3416.69,85 h250
  text "W" at 4806.69,85 h250
  text "GND" at 6720,60 h60
  text "+12V" at 7496,16 h35
Bottom Overlay:
  lines w8: 6614.61,6089.61 6623.8,6098.8 ; 6974.61,6089.61 6983.8,6098.8 ; 7334.61,6089.61 7343.8,6098.8 ; 7694.61,6089.61 7703.8,6098.8 ; 7880,755 7880,669 7990,669 ; 7885,821 7992,821 7992,669
  lines w10: 5720,305 5740.39,305 ; 5790,130 5810.39,130 ; 6900,4015 6921.3,4036.3 6922.52,4036.3 ; 6900,4288 6921.3,4309.3 ; 6935,1300 6935,1350 ; 7080,1230 7080,1250 ; 7170,745 7185,745 ; 7170,865 7185,865 ; 7225,1230 7225,1250 ; 7315,465 7260,465 7260,635 7420,635 7420,465 7395,465 ; 7380,375 7380,360 7380,265 7540,265 ; 7395,435 7555,435 7555,330 ; 7420,620 7433.22,620 7482.52,669.3 ; 7510,3394 7510,3407 ; 7555,400 7632.5,477.5 ; 7625,3394 7625,3407 ; 7725,717.5 7874.5,717.5 ; 5135,195 5715,195 5715,375 5135,375 5135,195 ; 5315,15 5785,15 5785,195 5315,195 5315,15 ; 6580,3900 6900,3900 6900,4020 6580,4020 6580,3900 ; 6580,4183.5 6900,4183.5 6900,4303.5 6580,4303.5 6580,4183.5 ; 6832.5,1350 6997.5,1350 6997.5,1470 6832.5,1470 6832.5,1350 ; 7017.5,1250 7182.5,1250 7182.5,1470 7017.5,1470 7017.5,1250 ; 7050,600 7170,600 7170,765 7050,765 7050,600 ; 7050,780 7170,780 7170,940 7050,940 7050,780 ; 7202.5,1250 7367.5,1250 7367.5,1470 7202.5,1470 7202.5,1250 ; 7397.5,3407.5 7737.5,3407.5 7737.5,3572.5 7397.5,3572.5 7397.5,3407.5
Board Outline:
  lines w10: 55,-8425 ccw(c55,-8325) 155,-8325 ; 0,100 ccw(c100,100) 100,0 7900,0 ccw(c7900,100) 8000,100 8000,7900 ccw(c7900,7900) 7900,8000 100,8000 ccw(c100,7900) 0,7900 0,100
Drill Drawing:
  drawing of 185 lines, arcs and shapes, not listed
  text "*" at 140,12010 h60
  text "THESE HOLES (1.10MM +/- 0.05MM) ARE FOR PRESS-FIT PART. USE 47.2MIL +/- 1MIL DRILLED HOLES. COPPER THICKNESS IN HOLE 25-50UM." at 235,11955 h100
  text "w" at 9.31,11929.72 h200
  text "^" at 145,11825.01 h60
  text "THESE HOLES (1.48MM +/- 0.05MM) ARE FOR PRESS-FIT PART. USE 63.0MIL +/- 1MIL DRILLED HOLES. COPPER THICKNESS IN HOLE 25-60UM." at 240,11760 h100
  text "w" at 15.85,11741.66 h200
  text "Symbol" at 97.5,11578.94 h72
  text "Count" at 603.38,11578.94 h72
  text "Hole Size" at 1203.22,11578.94 h72
  text "Plated" at 2302.9,11578.94 h72
  text "Hole Type" at 2808.77,11578.94 h72
  text "Drill Layer Pair" at 3542.57,11578.94 h72
  text "Via/Pad" at 5042.13,11578.94 h72
  text "Pad Shape" at 5631.97,11578.94 h72
  text "Hole Tolerance (+)" at 6377.77,11578.94 h72
  text "Hole Tolerance (-)" at 7711.38,11578.94 h72
  text "Hole Length" at 9044.99,11578.94 h72
  text "Routed Path Length" at 10074.69,11578.94 h72
  text "20" at 603.38,11428.94 h60
  text "0.20mm (7.87mil)" at 1203.22,11428.94 h60
  text "PTH" at 2302.9,11428.94 h60
  text "Round" at 2808.77,11428.94 h60
  text "Top Layer - Bottom Layer" at 3542.57,11428.94 h60
  text "Via" at 5042.13,11428.94 h60
  text "Rounded" at 5631.97,11428.94 h60
  text "0.08mm (3.00mil)" at 6377.77,11428.94 h60
  text "0.08mm (3.00mil)" at 7711.38,11428.94 h60
  text "-" at 9044.99,11428.94 h60
  text "-" at 10074.69,11428.94 h60
  text "537" at 603.38,11278.94 h60
  text "0.33mm (13.00mil)" at 1203.22,11278.94 h60
  text "PTH" at 2302.9,11278.94 h60
  text "Round" at 2808.77,11278.94 h60
  text "Top Layer - Bottom Layer" at 3542.57,11278.94 h60
  text "Via" at 5042.13,11278.94 h60
  text "Rounded" at 5631.97,11278.94 h60
  text "0.08mm (3.00mil)" at 6377.77,11278.94 h60
  text "0.08mm (3.00mil)" at 7711.38,11278.94 h60
  text "-" at 9044.99,11278.94 h60
  text "-" at 10074.69,11278.94 h60
  text "A" at 68.41,11268.95 h66.67
  text "76" at 603.38,11128.94 h60
  text "0.71mm (28.00mil)" at 1203.22,11128.94 h60
  text "PTH" at 2302.9,11128.94 h60
  text "Round" at 2808.77,11128.94 h60
  text "Top Layer - Bottom Layer" at 3542.57,11128.94 h60
  text "Via" at 5042.13,11128.94 h60
  text "Rounded" at 5631.97,11128.94 h60
  text "0.08mm (3.00mil)" at 6377.77,11128.94 h60
  text "0.08mm (3.00mil)" at 7711.38,11128.94 h60
  text "-" at 9044.99,11128.94 h60
  text "-" at 10074.69,11128.94 h60
  text "32" at 603.38,10978.94 h60
  text "0.84mm (33.07mil)" at 1203.22,10978.94 h60
  text "PTH" at 2302.9,10978.94 h60
  text "Round" at 2808.77,10978.94 h60
  text "Top Layer - Bottom Layer" at 3542.57,10978.94 h60
  text "Pad" at 5042.13,10978.94 h60
  text "(Mixed)" at 5631.97,10978.94 h60
  text "0.08mm (3.00mil)" at 6377.77,10978.94 h60
  text "0.08mm (3.00mil)" at 7711.38,10978.94 h60
  text "-" at 9044.99,10978.94 h60
  text "-" at 10074.69,10978.94 h60
  text "18" at 603.38,10828.94 h60
  text "1.00mm (39.37mil)" at 1203.22,10828.94 h60
  text "PTH" at 2302.9,10828.94 h60
  text "Round" at 2808.77,10828.94 h60
  text "Top Layer - Bottom Layer" at 3542.57,10828.94 h60
  text "Pad" at 5042.13,10828.94 h60
  text "(Mixed)" at 5631.97,10828.94 h60
  text "0.08mm (3.00mil)" at 6377.77,10828.94 h60
  text "0.08mm (3.00mil)" at 7711.38,10828.94 h60
  text "-" at 9044.99,10828.94 h60
  text "-" at 10074.69,10828.94 h60
  text "3" at 603.38,10678.94 h60
  text "1.00mm (39.37mil)" at 1203.22,10678.94 h60
  text "PTH" at 2302.9,10678.94 h60
  text "Slot" at 2808.77,10678.94 h60
  text "Top Layer - Bottom Layer" at 3542.57,10678.94 h60
  text "Pad" at 5042.13,10678.94 h60
  text "Rectangle" at 5631.97,10678.94 h60
  text "0.08mm (3.00mil)" at 6377.77,10678.94 h60
  text "0.08mm (3.00mil)" at 7711.38,10678.94 h60
  text "1.60mm (62.99mil)" at 9044.99,10678.94 h60
  text "0.60mm (23.62mil)" at 10074.69,10678.94 h60
  text "B" at 68.41,10668.95 h66.67
  text "18" at 603.38,10528.94 h60
  text "1.10mm (43.31mil)" at 1203.22,10528.94 h60
  text "PTH" at 2302.9,10528.94 h60
  text "Round" at 2808.77,10528.94 h60
  text "Top Layer - Bottom Layer" at 3542.57,10528.94 h60
  text "Pad" at 5042.13,10528.94 h60
  text "(Mixed)" at 5631.97,10528.94 h60
  text "0.08mm (3.00mil)" at 6377.77,10528.94 h60
  text "0.08mm (3.00mil)" at 7711.38,10528.94 h60
  text "-" at 9044.99,10528.94 h60
  text "-" at 10074.69,10528.94 h60
  text "D" at 68.41,10518.95 h66.67
  text "*" at -85,10430 h60
  text "23" at 603.38,10378.94 h60
  text "1.10mm (43.31mil)" at 1203.22,10378.94 h60
  text "PTH" at 2302.9,10378.94 h60
  text "Round" at 2808.77,10378.94 h60
  text "Top Layer - Bottom Layer" at 3542.57,10378.94 h60
  text "Pad" at 5042.13,10378.94 h60
  text "Rounded" at 5631.97,10378.94 h60
  text "0.05mm (1.97mil)" at 6377.77,10378.94 h60
  text "0.05mm (1.97mil)" at 7711.38,10378.94 h60
  text "-" at 9044.99,10378.94 h60
  text "-" at 10074.69,10378.94 h60
  text "w" at -215.69,10349.72 h200
  text "30" at 603.38,10228.94 h60
  text "1.15mm (45.28mil)" at 1203.22,10228.94 h60
  text "PTH" at 2302.9,10228.94 h60
  text "Round" at 2808.77,10228.94 h60
  text "Top Layer - Bottom Layer" at 3542.57,10228.94 h60
  text "Pad" at 5042.13,10228.94 h60
  text "Rounded" at 5631.97,10228.94 h60
  text "0.08mm (3.00mil)" at 6377.77,10228.94 h60
  text "0.08mm (3.00mil)" at 7711.38,10228.94 h60
  text "-" at 9044.99,10228.94 h60
  text "-" at 10074.69,10228.94 h60
  text "9" at 603.38,10078.94 h60
  text "1.20mm (47.24mil)" at 1203.22,10078.94 h60
  text "PTH" at 2302.9,10078.94 h60
  text "Round" at 2808.77,10078.94 h60
  text "Top Layer - Bottom Layer" at 3542.57,10078.94 h60
  text "Pad" at 5042.13,10078.94 h60
  text "Rounded" at 5631.97,10078.94 h60
  text "0.08mm (3.00mil)" at 6377.77,10078.94 h60
  text "0.08mm (3.00mil)" at 7711.38,10078.94 h60
  text "-" at 9044.99,10078.94 h60
  text "-" at 10074.69,10078.94 h60
  text "2" at 603.38,9928.94 h60
  text "1.27mm (50.00mil)" at 1203.22,9928.94 h60
  text "NPTH" at 2302.9,9928.94 h60
  text "Round" at 2808.77,9928.94 h60
  text "Top Layer - Bottom Layer" at 3542.57,9928.94 h60
  text "Pad" at 5042.13,9928.94 h60
  text "Rounded" at 5631.97,9928.94 h60
  text "0.08mm (3.00mil)" at 6377.77,9928.94 h60
  text "0.08mm (3.00mil)" at 7711.38,9928.94 h60
  text "-" at 9044.99,9928.94 h60
  text "-" at 10074.69,9928.94 h60
  text "4" at 603.38,9778.94 h60
  text "1.30mm (51.18mil)" at 1203.22,9778.94 h60
  text "PTH" at 2302.9,9778.94 h60
  text "Round" at 2808.77,9778.94 h60
  text "Top Layer - Bottom Layer" at 3542.57,9778.94 h60
  text "Pad" at 5042.13,9778.94 h60
  text "(Mixed)" at 5631.97,9778.94 h60
  text "0.08mm (3.00mil)" at 6377.77,9778.94 h60
  text "0.08mm (3.00mil)" at 7711.38,9778.94 h60
  text "-" at 9044.99,9778.94 h60
  text "-" at 10074.69,9778.94 h60
  text "C" at 68.41,9768.95 h66.67
  text "10" at 603.38,9628.94 h60
  text "1.40mm (55.12mil)" at 1203.22,9628.94 h60
  text "PTH" at 2302.9,9628.94 h60
  text "Round" at 2808.77,9628.94 h60
  text "Top Layer - Bottom Layer" at 3542.57,9628.94 h60
  text "Pad" at 5042.13,9628.94 h60
  text "(Mixed)" at 5631.97,9628.94 h60
  text "0.08mm (3.00mil)" at 6377.77,9628.94 h60
  text "0.08mm (3.00mil)" at 7711.38,9628.94 h60
  text "-" at 9044.99,9628.94 h60
  text "-" at 10074.69,9628.94 h60
  text "^" at -100,9525.01 h60
  text "40" at 603.38,9478.94 h60
  text "1.48mm (58.07mil)" at 1203.22,9478.94 h60
  text "PTH" at 2302.9,9478.94 h60
  text "Round" at 2808.77,9478.94 h60
  text "Top Layer - Bottom Layer" at 3542.57,9478.94 h60
  text "Pad" at 5042.13,9478.94 h60
  text "Rounded" at 5631.97,9478.94 h60
  text "0.05mm (1.97mil)" at 6377.77,9478.94 h60
  text "0.05mm (1.97mil)" at 7711.38,9478.94 h60
  text "-" at 9044.99,9478.94 h60
  text "-" at 10074.69,9478.94 h60
  text "E" at 68.41,9468.95 h66.67
  text "w" at -229.15,9441.66 h200
  text "15" at 603.38,9328.94 h60
  text "1.60mm (62.99mil)" at 1203.22,9328.94 h60
  text "PTH" at 2302.9,9328.94 h60
  text "Round" at 2808.77,9328.94 h60
  text "Top Layer - Bottom Layer" at 3542.57,9328.94 h60
  text "Pad" at 5042.13,9328.94 h60
  text "Rounded" at 5631.97,9328.94 h60
  text "0.08mm (3.00mil)" at 6377.77,9328.94 h60
  text "0.08mm (3.00mil)" at 7711.38,9328.94 h60
  text "-" at 9044.99,9328.94 h60
  text "-" at 10074.69,9328.94 h60
  text "30" at 603.38,9178.94 h60
  text "2.00mm (78.74mil)" at 1203.22,9178.94 h60
  text "PTH" at 2302.9,9178.94 h60
  text "Round" at 2808.77,9178.94 h60
  text "Top Layer - Bottom Layer" at 3542.57,9178.94 h60
  text "Pad" at 5042.13,9178.94 h60
  text "Rounded" at 5631.97,9178.94 h60
  text "0.08mm (3.00mil)" at 6377.77,9178.94 h60
  text "0.08mm (3.00mil)" at 7711.38,9178.94 h60
  text "-" at 9044.99,9178.94 h60
  text "-" at 10074.69,9178.94 h60
  text "2" at 603.38,9028.94 h60
  text "3.05mm (120.08mil)" at 1203.22,9028.94 h60
  text "PTH" at 2302.9,9028.94 h60
  text "Round" at 2808.77,9028.94 h60
  text "Top Layer - Bottom Layer" at 3542.57,9028.94 h60
  text "Pad" at 5042.13,9028.94 h60
  text "Rounded" at 5631.97,9028.94 h60
  text "0.13mm (5.00mil)" at 6377.77,9028.94 h60
  text "0.13mm (5.00mil)" at 7711.38,9028.94 h60
  text "-" at 9044.99,9028.94 h60
  text "-" at 10074.69,9028.94 h60
  text "8" at 603.38,8878.94 h60
  text "4.50mm (177.17mil)" at 1203.22,8878.94 h60
  text "PTH" at 2302.9,8878.94 h60
  text "Round" at 2808.77,8878.94 h60
  text "Top Layer - Bottom Layer" at 3542.57,8878.94 h60
  text "Pad" at 5042.13,8878.94 h60
  text "Rounded" at 5631.97,8878.94 h60
  text "0.13mm (5.00mil)" at 6377.77,8878.94 h60
  text "0.13mm (5.00mil)" at 7711.38,8878.94 h60
  text "-" at 9044.99,8878.94 h60
  text "-" at 10074.69,8878.94 h60
  text "2" at 603.38,8728.94 h60
  text "9.00mm (354.33mil)" at 1203.22,8728.94 h60
  text "NPTH" at 2302.9,8728.94 h60
  text "Round" at 2808.77,8728.94 h60
  text "Top Layer - Bottom Layer" at 3542.57,8728.94 h60
  text "Pad" at 5042.13,8728.94 h60
  text "Rounded" at 5631.97,8728.94 h60
  text "0.13mm (5.00mil)" at 6377.77,8728.94 h60
  text "0.13mm (5.00mil)" at 7711.38,8728.94 h60
  text "-" at 9044.99,8728.94 h60
  text "-" at 10074.69,8728.94 h60
  text "F" at 68.41,8718.95 h66.67
  text "879 Total" at 603.38,8578.94 h60
  text "Slot definitions :" at 97.5,8433.97 h60
  text "Routed Path Length" at 1130.19,8433.97 h60
  text "= Calculated from tool start centre position to tool end centre position." at 2232.86,8433.97 h60
  text "Hole Length" at 1130.19,8333.99 h60
  text "= Routed Path Length + Tool Size = Slot length as defined in the PCB layout" at 1822.99,8333.99 h60

## Dimensions
100,8000 to 100,0 on Drill Drawing
0,100 to 8000,100 on Drill Drawing

## Text inside footprints (layer, text, board x,y; h text height)
J16: Top Overlay "5" at 7741.5,740.39 h40 r270; Top Overlay "2" at 7839.13,1063.23 h40 r270; Top Overlay "6" at 7841.5,740.39 h40 r270; Top Overlay "1" at 7739.13,1051.42 h40 r270
Q2: Top Courtyard "Default Padstyle: EX60Y60D43P0" at 3125,3859.5 h50 r180